# KiCad board gd rev3.kicad_pcb
title: Mega IIe; rev: Rev 3a; company: twitch.tv/baldengineer
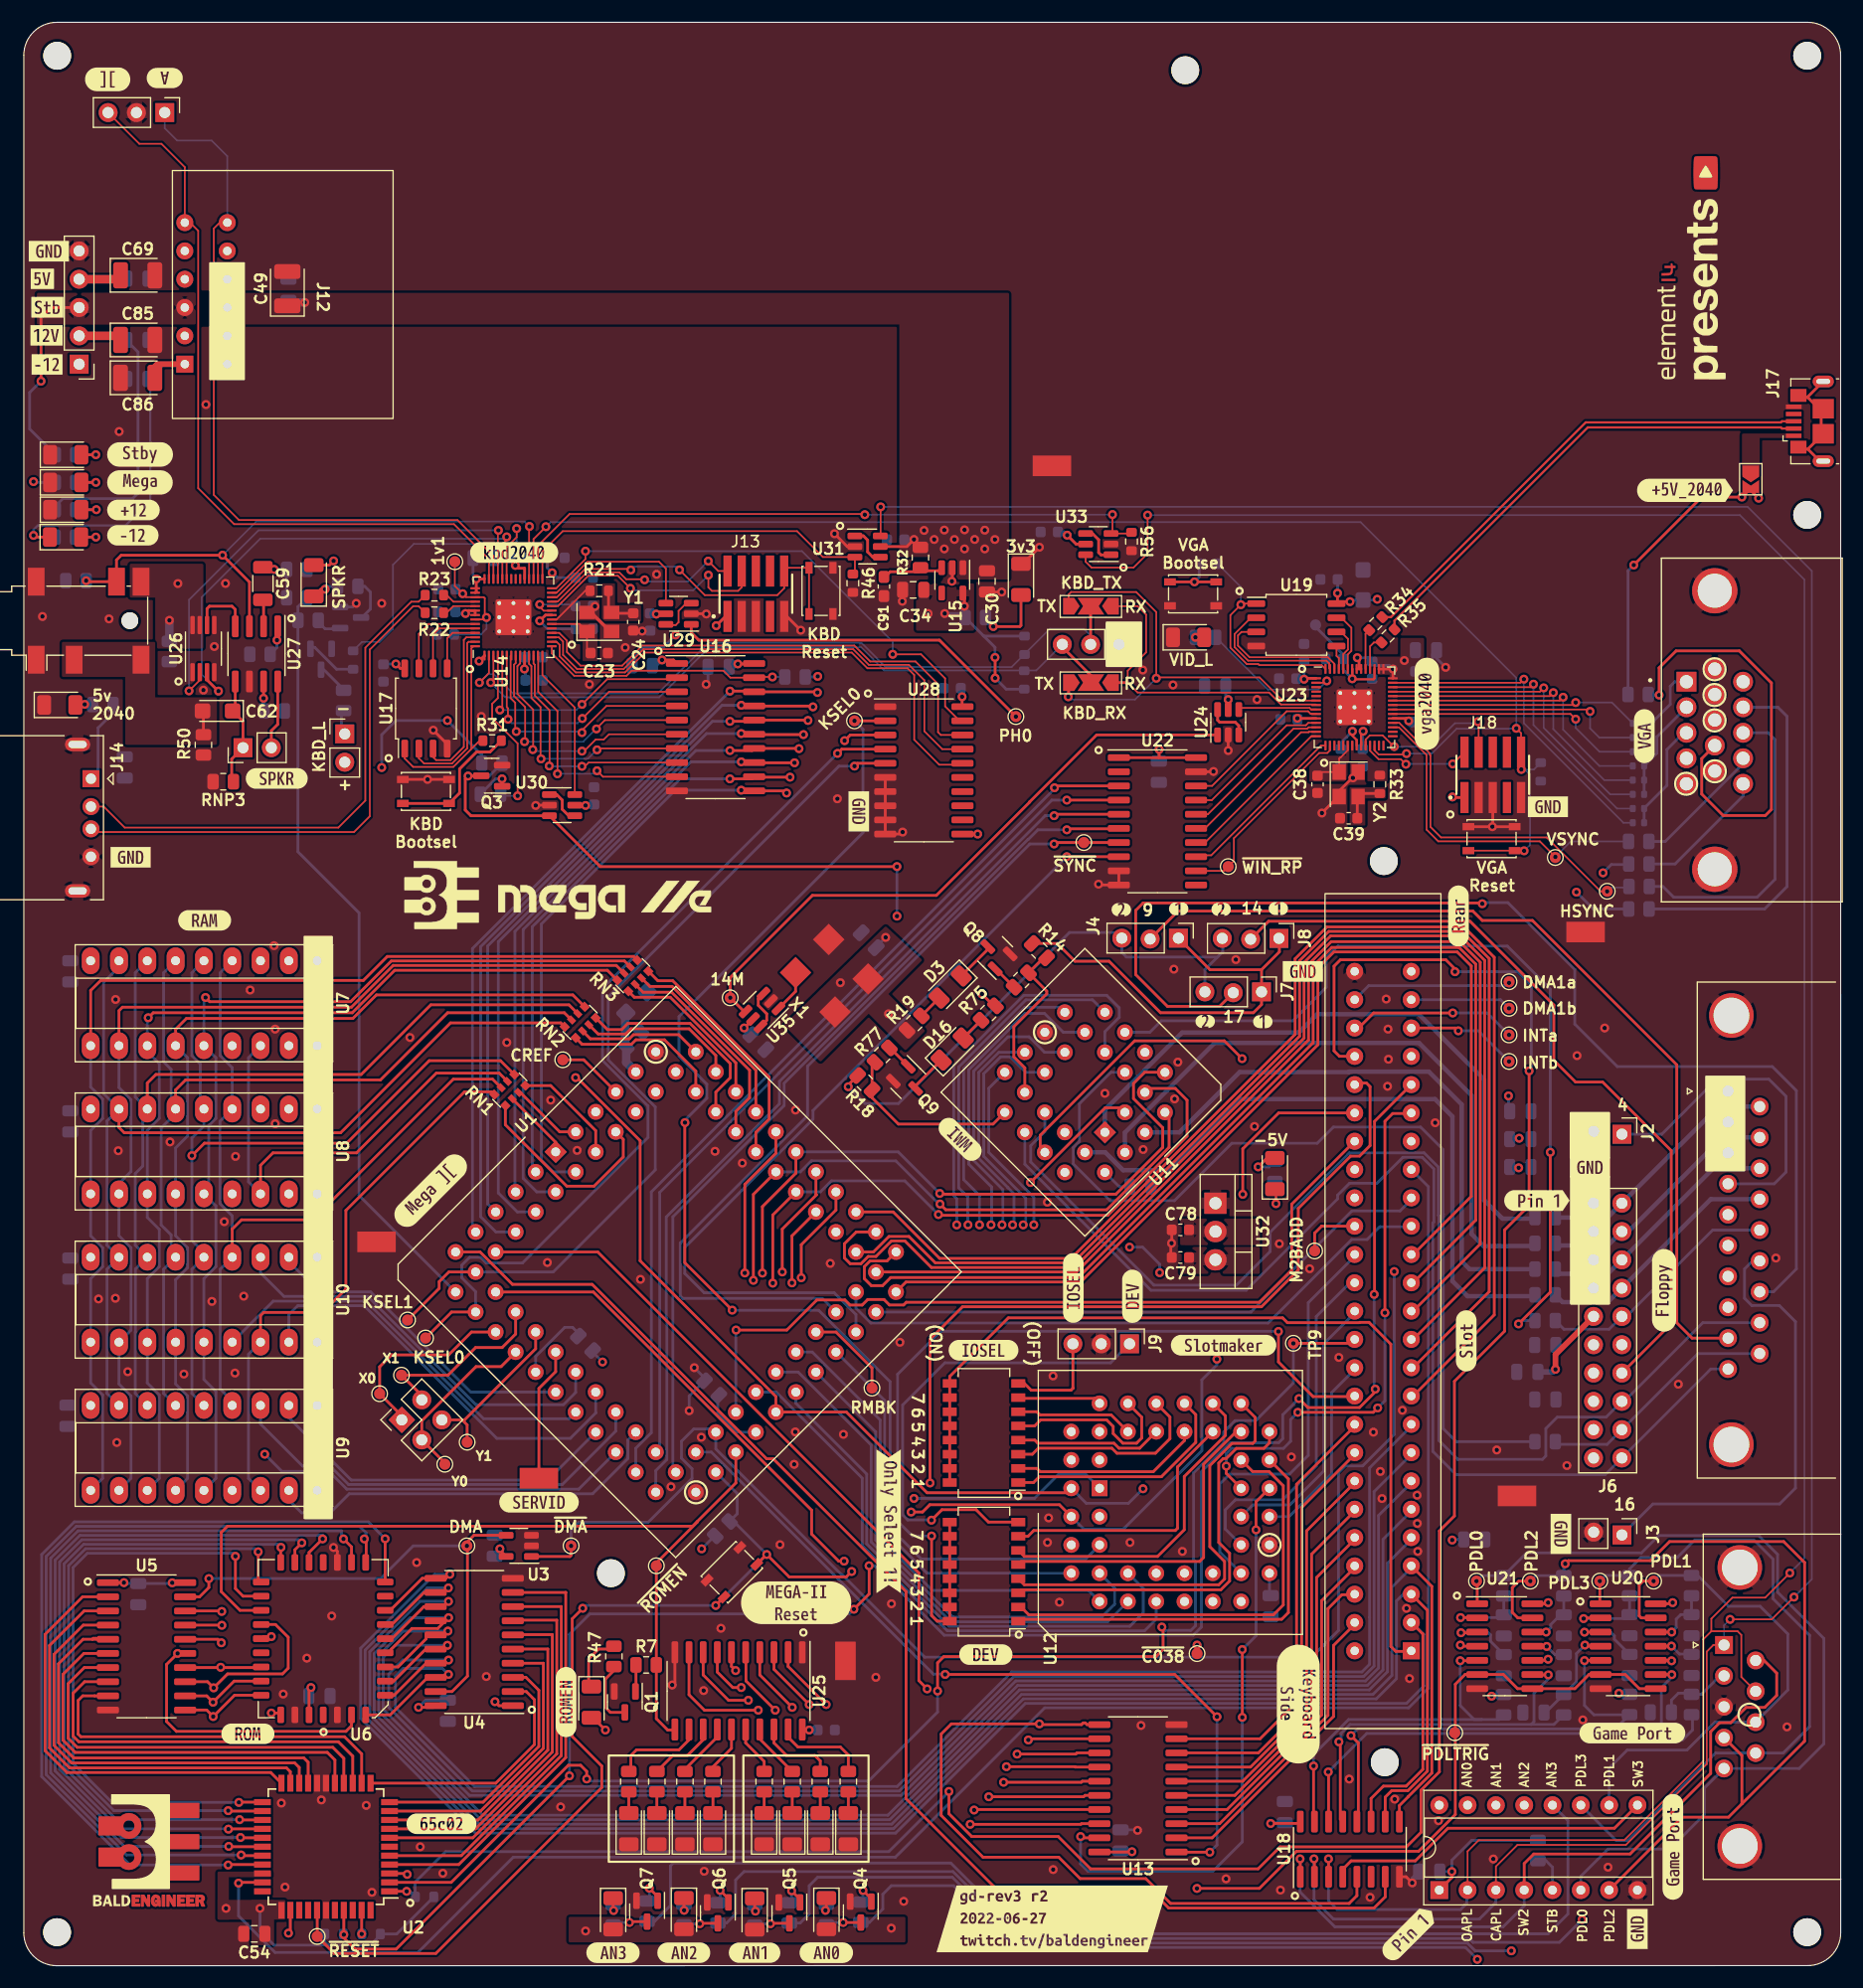
[diagram p0: board, top side]
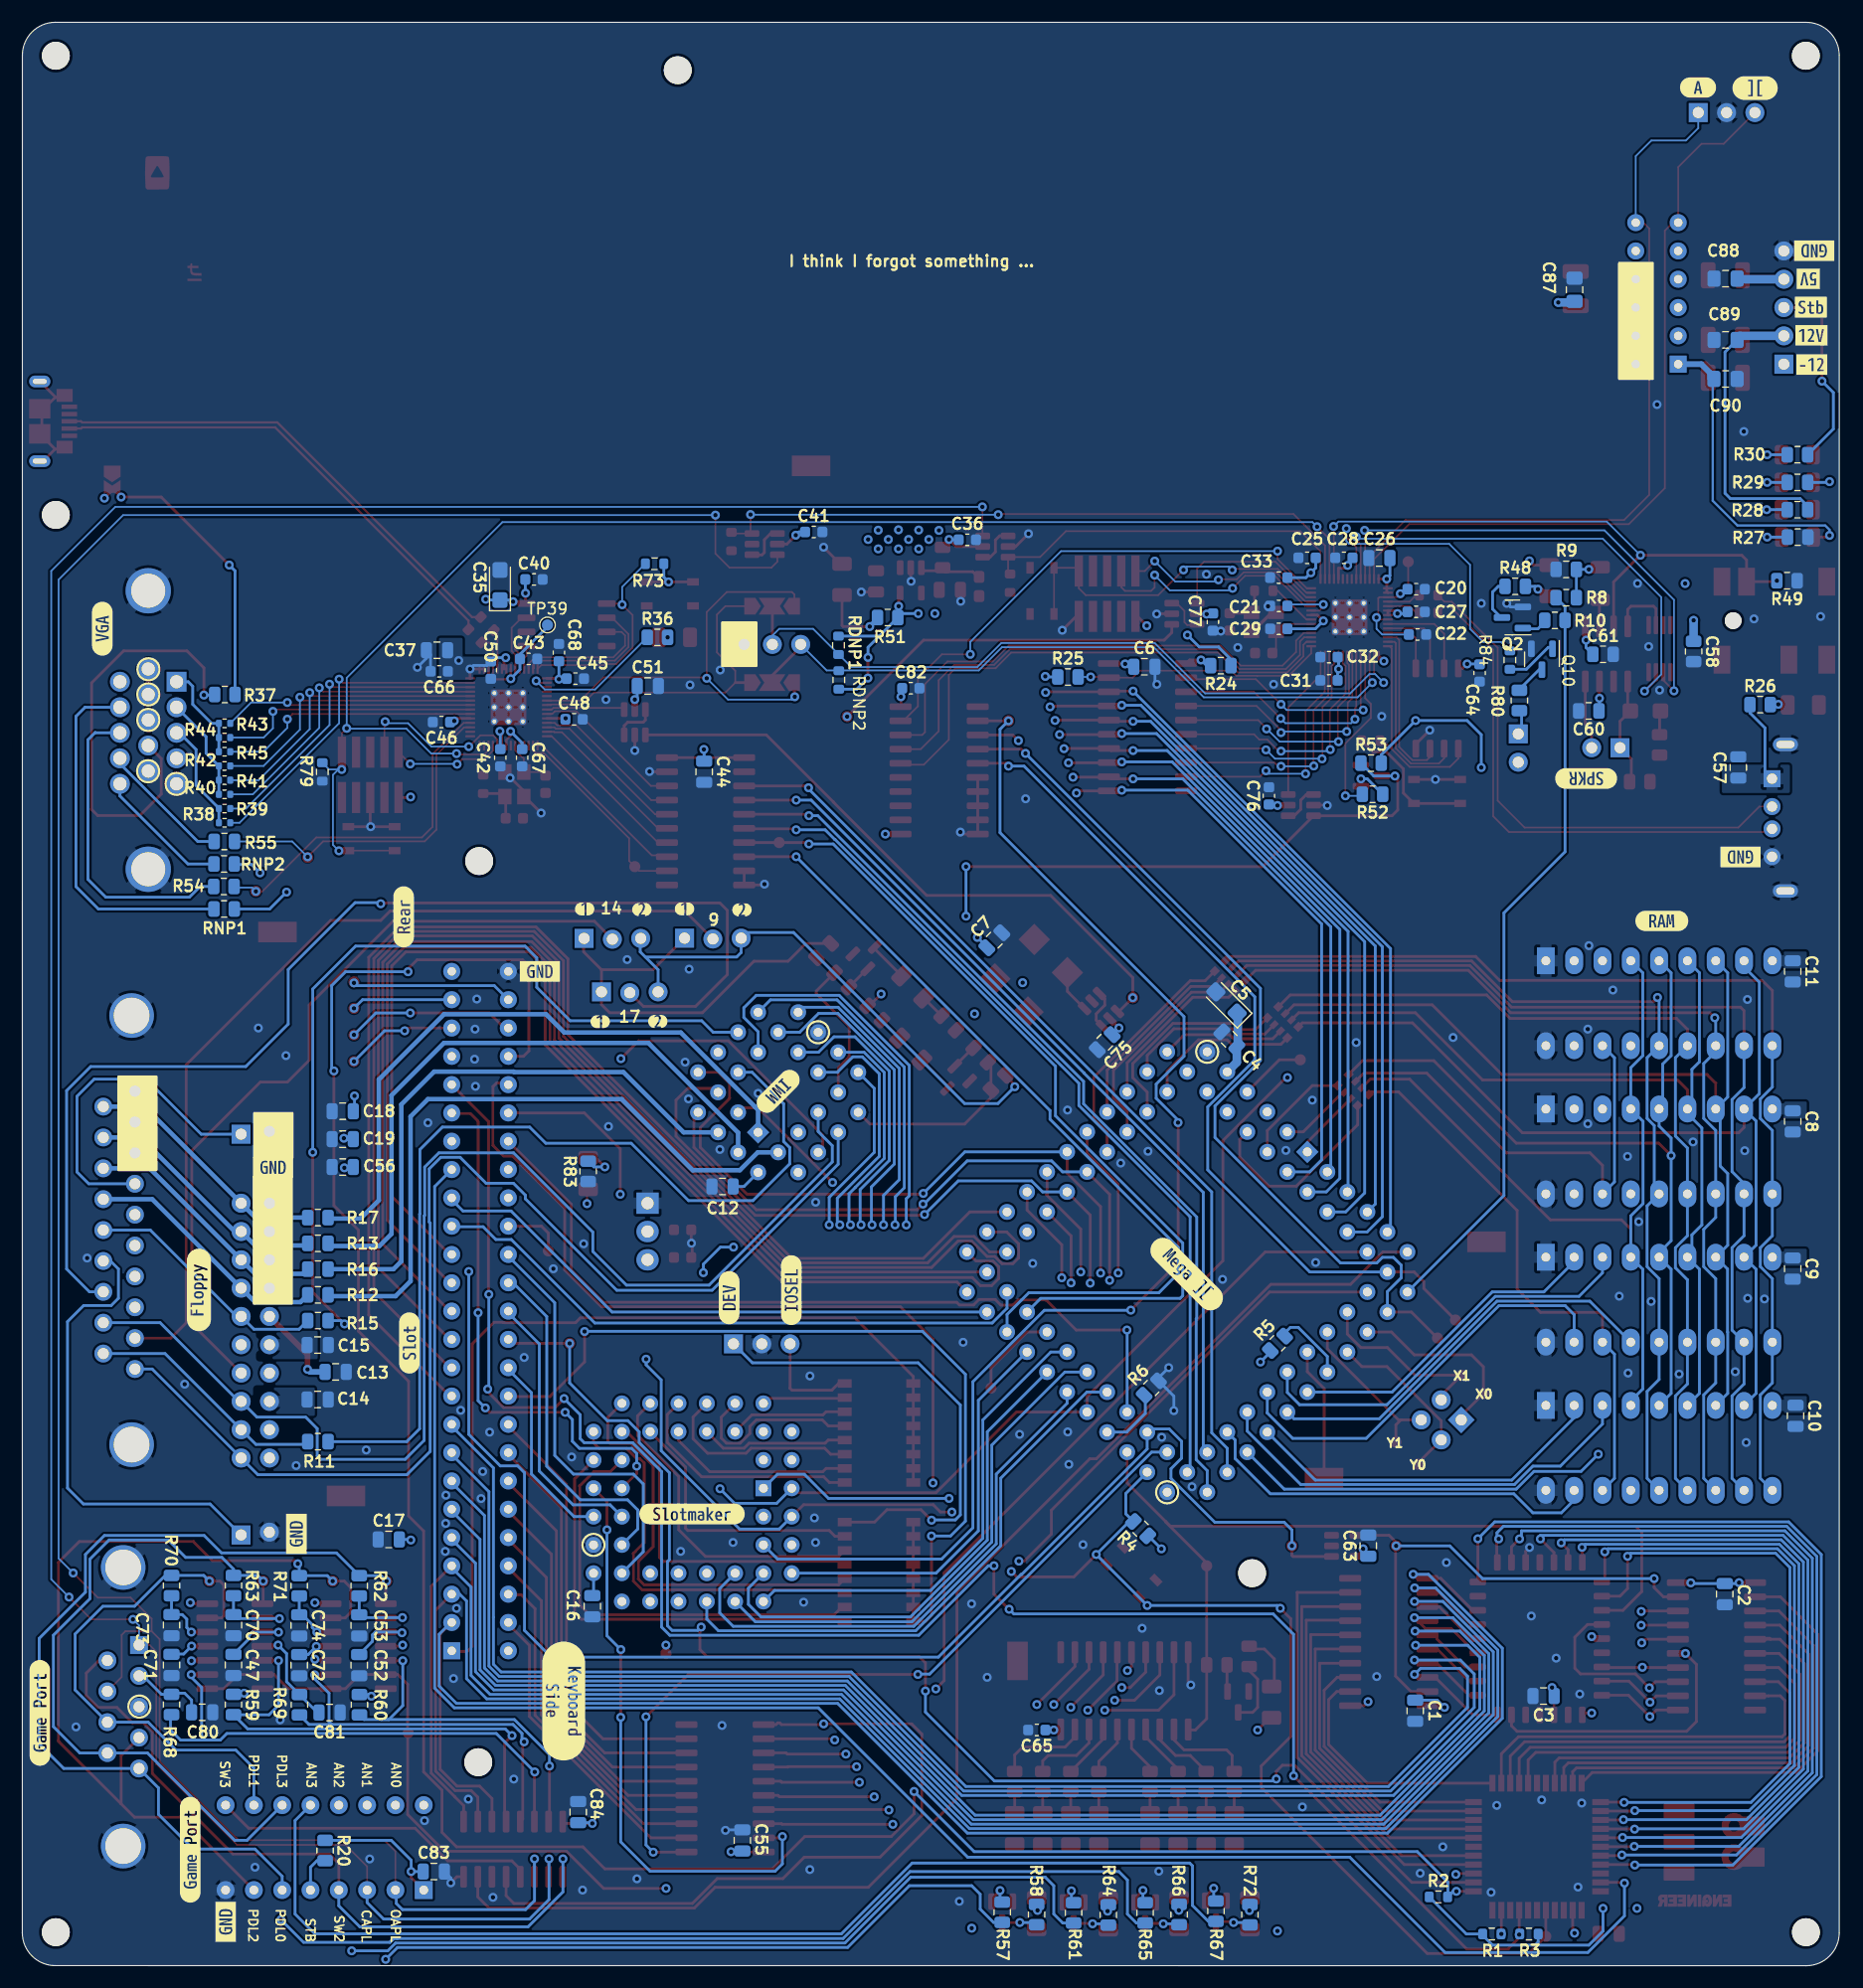
[diagram p1: board, bottom side, seen from below]

Outline 163.01 x 174.38 mm; copper layers: Top, In1.Cu, In2.Cu, Bottom. Coordinates in mm from the lower left corner of the outline.
Outline path: 0,171.41 0,2.96 arc(0.87,0.87) 2.96,0 160.05,0.01 arc(162.15,0.88) 163.01,2.97 163.01,171.42 arc(162.14,173.51) 160.05,174.38 2.96,174.37 arc(0.87,173.51) 0,171.41
Stack: Top 0.035mm / dielectric 1.51mm FR4 er 4.5 / In1.Cu 0.035mm / dielectric 1.51mm FR4 er 4.5 / In2.Cu 0.035mm / dielectric 1.51mm FR4 er 4.5 / Bottom 0.035mm

## Placement (name value [footprint] x y rotation side)
C1  1uF  [C_0805_2012Metric]  38.05 22.88 270 bottom
C2  1uF  [C_0805_2012Metric]  10.27 33.34 270 bottom
C3  1uF  [C_0805_2012Metric]  26.53 24.2 0 bottom
C4  10uF  [C_0805_2012Metric]  54.72 83.12 45 bottom
C5  100u  [CP_EIA-3216-18_Kemet-A]  54.97 86.43 45 bottom
C6  1u  [C_0805_2012Metric]  62.34 116.55 180 bottom
C7  1uF  [C_0805_2012Metric]  75.8 92.01 135 bottom
C8  1uF  [C_0805_2012Metric]  4.17 75.76 270 bottom
C9  1uF  [C_0805_2012Metric]  4.17 62.55 270 bottom
C10  1uF  [C_0805_2012Metric]  3.92 49.34 270 bottom
C11  1uF  [C_0805_2012Metric]  4.17 89.22 270 bottom
C12  10u  [C_0805_2012Metric]  100.19 69.92 0 bottom
C13  10u  [C_0805_2012Metric]  134.9 53.28 180 bottom
C14  10u  [C_0805_2012Metric]  136.51 50.8 180 bottom
C15  10u  [C_0805_2012Metric]  136.51 55.69 180 bottom
C16  1uF  [C_0805_2012Metric]  111.87 32.26 270 bottom
C17  10u  [C_0805_2012Metric]  130.14 38.25 0 bottom
C18  10u  [C_0805_2012Metric]  134.27 76.67 0 bottom
C19  10u  [C_0805_2012Metric]  134.27 74.17 0 bottom
C20  100n  [C_0603_1608Metric]  37.96 123.51 180 bottom
C21  100n  [C_0603_1608Metric]  50.28 122.01 0 bottom
C22  1u  [C_0603_1608Metric]  37.84 119.45 180 bottom
C23  27p  [C_0603_1608Metric]  51.63 117.78 0 top
C24  27p  [C_0603_1608Metric]  54.68 120.57 270 top
C25  100n  [C_0603_1608Metric]  47.74 126.33 0 bottom
C26  10u  [C_0805_2012Metric]  41.26 126.3 0 bottom
C27  1u  [C_0603_1608Metric]  37.96 121.48 180 bottom
C28  100n  [C_0603_1608Metric]  44.44 126.33 0 bottom
C29  100n  [C_0603_1608Metric]  50.28 119.95 0 bottom
C30  1u  [C_0805_2012Metric]  86.42 124.21 270 top
C31  100n  [C_0603_1608Metric]  45.78 115.33 0 bottom
C32  100n  [C_0603_1608Metric]  45.78 117.41 0 bottom
C33  100n  [C_0603_1608Metric]  50.28 124.55 0 bottom
C34  1u  [C_0805_2012Metric]  79.8 123.45 180 top
C35  100u  [CP_EIA-3216-18_Kemet-A]  120.16 123.89 90 bottom
C36  1u  [C_0603_1608Metric]  78.23 127.95 180 bottom
C37  1u  [C_0805_2012Metric]  125.81 118.04 0 bottom
C38  27p  [C_0603_1608Metric]  116.07 106 270 top
C39  27p  [C_0603_1608Metric]  118.87 102.95 180 top
C40  1u  [C_0603_1608Metric]  117.11 124.39 180 bottom
C41  1u  [C_0603_1608Metric]  92.01 128.65 180 bottom
C42  1u  [C_0603_1608Metric]  120.13 108.39 270 bottom
C43  1u  [C_0603_1608Metric]  117.59 117.26 180 bottom
C44  1u  [C_0805_2012Metric]  101.84 107.13 270 bottom
C45  100n  [C_0603_1608Metric]  113.39 115.49 180 bottom
C46  1u  [C_0603_1608Metric]  125.41 111.59 0 bottom
C47  .1u  [C_0805_2012Metric]  144.07 26.99 270 bottom
C48  100n  [C_0603_1608Metric]  113.51 111.84 180 bottom
C49  100uF/20V  [CP_EIA-3528-21_Kemet-B]  23.65 150.48 90 top
C50  1u  [C_0603_1608Metric]  120.98 116.25 270 bottom
C51  1u  [C_0805_2012Metric]  106.89 114.82 180 bottom
C52  .1u  [C_0805_2012Metric]  132.79 26.97 270 bottom
C53  22n  [C_0805_2012Metric]  132.79 30.54 270 bottom
C54  1uF  [C_0805_2012Metric]  20.68 2.86 180 top
C55  1uF  [C_0805_2012Metric]  98.41 11.24 90 bottom
C56  10u  [C_0805_2012Metric]  134.27 71.67 0 bottom
C57  10u  [C_0805_2012Metric]  9.06 107.52 90 bottom
C58  1u  [R_0805_2012Metric]  13.06 117.92 270 bottom
C59  220n  [R_1206_3216Metric]  21.45 124.02 270 top
C60  1u  [R_0805_2012Metric]  22.47 112.59 0 bottom
C61  1u  [R_0805_2012Metric]  21.19 117.67 180 bottom
C62  100u  [CP_EIA-3216-18_Kemet-A]  17.39 112.59 180 top
C63  1uF  [C_0805_2012Metric]  42.25 37.69 90 bottom
C64  1u  [C_0603_1608Metric]  32.27 115.99 270 bottom
C65  1u  [C_0603_1608Metric]  71.99 21.15 0 bottom
C66  100n  [C_0603_1608Metric]  125.61 116.14 0 bottom
C67  100n  [C_0603_1608Metric]  118.17 108.39 270 bottom
C68  100n  [C_0603_1608Metric]  114.87 117.82 90 bottom
C69  100uF/20V  [CP_EIA-3528-21_Kemet-B]  10.22 151.68 0 top
C70  22n  [C_0805_2012Metric]  144.07 30.56 270 bottom
C71  .1u  [C_0805_2012Metric]  149.63 26.99 270 bottom
C72  .1u  [C_0805_2012Metric]  138.17 26.97 270 bottom
C73  22n  [C_0805_2012Metric]  149.63 30.56 270 bottom
C74  22n  [C_0805_2012Metric]  138.17 30.54 270 bottom
C75  1uF  [C_0805_2012Metric]  65.9 82.87 315 bottom
C76  1u  [C_0603_1608Metric]  51.16 104.97 90 bottom
C77  1u  [C_0603_1608Metric]  56.19 120.56 270 bottom
C78  1u  [C_0603_1608Metric]  103.77 66.03 180 top
C79  1u  [C_0603_1608Metric]  103.77 63.55 180 top
C80  1u  [C_0805_2012Metric]  146.88 22.74 180 bottom
C81  1u  [C_0805_2012Metric]  135.45 22.72 180 bottom
C82  1u  [C_0603_1608Metric]  83.3 114.62 180 bottom
C83  10u  [C_0805_2012Metric]  126.09 8.45 180 bottom
C84  1u  [C_0805_2012Metric]  113.14 13.78 90 bottom
C85  100uF/20V  [CP_EIA-3528-21_Kemet-B]  10.22 145.88 0 top
C86  100uF/20V  [CP_EIA-3528-21_Kemet-B]  10.22 142.48 0 top
C87  47uF/25V  [C_0805_2012Metric_Pad1.18x1.45mm_HandSolder]  23.75 150.38 90 bottom
C88  47uF/25V  [C_0805_2012Metric_Pad1.18x1.45mm_HandSolder]  10.2 151.38 0 bottom
C89  47uF/25V  [C_0805_2012Metric_Pad1.18x1.45mm_HandSolder]  10.2 145.88 0 bottom
C90  47uF/25V  [C_0805_2012Metric_Pad1.18x1.45mm_HandSolder]  10.2 142.38 180 bottom
C91  1e-6  [C_0603_1608Metric_Pad1.08x0.95mm_HandSolder]  77.17 123.75 270 top
D1  ~{ROMEN_L}  [LED_1206_3216Metric]  50.93 23.65 270 top
D2  SNDZ  [LED_1206_3216Metric]  26.02 124.27 90 top
D3  DSK1  [LED_1206_3216Metric]  83.12 87.82 225 top
D4  -12v  [LED_1206_3216Metric]  3.75 128.18 0 top
D5  +12v  [LED_1206_3216Metric]  3.77 130.64 0 top
D6  Mega  [LED_1206_3216Metric]  3.77 133.09 0 top
D7  5V_2040_PWR  [LED_1206_3216Metric]  3.23 113.13 0 top
D8  3V3_PWR  [LED_1206_3216Metric]  89.47 124.39 270 top
D10  Stby  [LED_1206_3216Metric]  3.77 135.58 0 top
D11  D_1206  [LED_1206_3216Metric]  104.5 119.19 0 top
D12  AN0  [LED_1206_3216Metric]  72.01 4.68 270 top
D13  AN1  [LED_1206_3216Metric]  65.58 4.64 270 top
D14  AN2  [LED_1206_3216Metric]  59.23 4.68 270 top
D15  AN3  [LED_1206_3216Metric]  52.88 4.66 270 top
D16  DSK2  [LED_1206_3216Metric]  83.3 82.25 45 top
D17  BA15  [LED_1206_3216Metric]  54.28 12.3 90 top
D18  BA11  [LED_1206_3216Metric]  66.43 12.3 90 top
D19  BA14  [LED_1206_3216Metric]  56.8 12.3 90 top
D20  BA10  [LED_1206_3216Metric]  68.94 12.3 90 top
D21  BA13  [LED_1206_3216Metric]  59.32 12.3 90 top
D22  BA9  [LED_1206_3216Metric]  71.46 12.3 90 top
D23  BA12  [LED_1206_3216Metric]  61.83 12.3 90 top
D24  BA8  [LED_1206_3216Metric]  73.98 12.3 90 top
D25  -5V  [LED_1206_3216Metric]  112.25 71.08 90 top
H1  MountingHole  [MountingHole_2.5mm]  2.99 3.01 0 top
H2  MountingHole  [MountingHole_2.5mm]  160.01 171.38 0 top
H3  MountingHole  [MountingHole_2.5mm]  160.01 3.01 0 top
H4  MountingHole  [MountingHole_2.5mm]  3 171.38 0 top
H5  MountingHole  [MountingHole_2.5mm]  122.11 18.26 0 top
H6  MountingHole  [MountingHole_2.5mm]  122.03 99.12 0 top
H7  MountingHole  [MountingHole_2.5mm]  52.68 35.22 0 top
J1  XY  [PinHeader_2x02_P2.54mm_Vertical]  33.91 48.98 45 top
J2  DB19_4  [PinHeader_1x02_P2.54mm_Vertical-LOCK]  143.39 74.74 270 top
J3  DB19_16  [PinHeader_1x02_P2.54mm_Vertical-LOCK]  143.39 38.78 270 top
J4  EN  [PinHeader_1x03_P2.54mm_Vertical-LOCK]  103.6 92.2 270 top
J5  DSUB19  [DSUB-19_Apple_II_Floppy]  152.91 78.47 90 top
J6  FDC Hdr  [PinHeader_2x10_P2.54mm_Vertical]  140.84 68.42 0 top
J7  EN  [PinHeader_1x03_P2.54mm_Vertical-LOCK]  111.05 87.38 270 top
J8  EN  [PinHeader_1x03_P2.54mm_Vertical-LOCK]  112.61 92.18 270 top
J9  IO-Xtra  [PinHeader_1x03_P2.54mm_Vertical]  99.21 55.8 270 top
J10  Apple_II_Slot  [Sullins-EBC25DCWN-Edge Socket 50 pos (25x2) 0.100]  121.95 58.74 90 top
J11  Game Port  [DIP-16_W7.62mm_Socket]  127 6.79 90 top
J12  Right Angle  [TE 5650118-3 Right Angle 12 Pos Socket]  23.5 149.93 270 top
J13  SWD  [SAMTEC_FTSH-105-XX-X-DV]  65.68 123.11 0 top
J14  USB_A  [USB_A_GCT_USB1125]  6.03 106.51 270 top
J15  PS Aux  [PinHeader_1x05_P2.54mm_Vertical]  4.97 143.7 180 top
J16  PS Control  [PinHeader_1x03_P2.54mm_Vertical]  12.65 166.28 270 top
J17  VGA_Micro  [USB_Micro-B_GCT_USB3076-30-A]  160.25 138.58 90 top
J18  vga_SWD  [SAMTEC_FTSH-105-XX-X-DV]  131.8 106.85 0 top
J19  SPKR  [PinHeader_1x02_P2.54mm_Vertical]  19.67 109.29 90 top
J20  Ears  [Jack_3.5mm_tensility_54-00177]  5.82 120.69 90 top
J21  KBD Serial  [PinHeader_1x03_P2.54mm_Vertical]  98.26 118.56 270 top
J22  L77HDE15SD1CH4F  [AMPHENOL_L77HDE15SD1CH4F]  151.71 110.88 90 top
J23  Game-DB  [DSUB-9_Female_Horizontal_P2.77x2.84mm_EdgePinOffset7.70mm_Housed_MountingHolesOffset9.12mm]  152.54 28.78 90 top
J24  KBD_L_HDR  [PinHeader_1x02_P2.54mm_Vertical]  28.8 110.53 0 top
JP1  Int-Ser1  [SolderJumper-3_P2.0mm_Open_TrianglePad1.0x1.5mm_NumberLabels]  95.74 121.99 180 top
JP2  Int-Ser2  [SolderJumper-3_P2.0mm_Open_TrianglePad1.0x1.5mm_NumberLabels]  95.74 115.13 180 top
JP3  Vbus_2040  [SolderJumper-2_P1.3mm_Open_TrianglePad1.0x1.5mm]  154.95 133.38 270 top
kibuzzard-62A00D7F  G***  [kibuzzard-62A00D7F]  2.12 148.81 0 top
kibuzzard-62A00D7F#2  G***  [kibuzzard-62A00D7F]  2.54 148.82 180 bottom
kibuzzard-62A00D22  G***  [kibuzzard-62A00D22]  1.67 151.36 0 top
kibuzzard-62A00D22#2  G***  [kibuzzard-62A00D22]  2.78 151.36 0 bottom
kibuzzard-62A00D66  G***  [kibuzzard-62A00D66]  2.04 146.29 0 top
kibuzzard-62A00D66#2  G***  [kibuzzard-62A00D66]  -28.15 215.88 0 top
kibuzzard-62A00D66#3  G***  [kibuzzard-62A00D66]  2.49 146.29 180 bottom
kibuzzard-62A00D90  G***  [kibuzzard-62A00D90]  2.09 143.68 0 top
kibuzzard-62A00D90#2  G***  [kibuzzard-62A00D90]  2.46 143.67 180 bottom
kibuzzard-62A01867  G***  [kibuzzard-62A01867]  12.65 169.38 180 top
kibuzzard-62A01867#2  G***  [kibuzzard-62A01867]  12.67 168.53 180 bottom
kibuzzard-62A01879  G***  [kibuzzard-62A01879]  7.53 169.26 0 top
kibuzzard-62A01879#2  G***  [kibuzzard-62A01879]  7.55 168.48 0 bottom
kibuzzard-62BA0892  G***  [kibuzzard-62BA0892]  92.27 4.2 0 top
kibuzzard-629FA1B4  G***  [kibuzzard-629FA1B4]  147.96 10.67 90 top
kibuzzard-629FA1B4#2  G***  [kibuzzard-629FA1B4]  144.32 20.88 0 top
kibuzzard-629FA1B4#3  G***  [kibuzzard-629FA1B4]  147.95 10.41 90 bottom
kibuzzard-629FA1B4#4  G***  [kibuzzard-629FA1B4]  161.44 22.69 90 bottom
kibuzzard-629FA1FF  G***  [kibuzzard-629FA1FF]  114.35 23.48 270 top
kibuzzard-629FA1FF#2  G***  [kibuzzard-629FA1FF]  114.44 23.75 270 bottom
kibuzzard-629FA2A5  G***  [kibuzzard-629FA2A5]  124.25 2.84 45 top
kibuzzard-629FA2A5#2  G***  [kibuzzard-629FA2A5]  135.76 68.66 0 top
kibuzzard-629FA6FE  G***  [kibuzzard-629FA6FE]  52.87 1.17 0 top
kibuzzard-629FA26A  G***  [kibuzzard-629FA26A]  107.65 55.68 0 top
kibuzzard-629FA26A#2  G***  [kibuzzard-629FA26A]  102.93 40.54 180 bottom
kibuzzard-629FA65B  G***  [kibuzzard-629FA65B]  149.05 132.38 0 top
kibuzzard-629FA70B  G***  [kibuzzard-629FA70B]  65.57 1.17 0 top
kibuzzard-629FA211  G***  [kibuzzard-629FA211]  128.72 94.19 90 top
kibuzzard-629FA211#2  G***  [kibuzzard-629FA211]  128.8 94.12 90 bottom
kibuzzard-629FA226  G***  [kibuzzard-629FA226]  36.51 69.55 45 top
kibuzzard-629FA226#2  G***  [kibuzzard-629FA226]  58.55 62.06 225 bottom
kibuzzard-629FA258  G***  [kibuzzard-629FA258]  84.01 74.15 315 top
kibuzzard-629FA258#2  G***  [kibuzzard-629FA258]  95.2 78.46 315 bottom
kibuzzard-629FA285  G***  [kibuzzard-629FA285]  37.48 12.74 0 top
kibuzzard-629FA704  G***  [kibuzzard-629FA704]  59.22 1.17 0 top
kibuzzard-629FA712  G***  [kibuzzard-629FA712]  72 1.17 0 top
kibuzzard-629FBBA8  G***  [kibuzzard-629FBBA8]  99.47 60.07 90 top
kibuzzard-629FBBA8#2  G***  [kibuzzard-629FBBA8]  86.32 27.92 0 top
kibuzzard-629FBBA8#3  G***  [kibuzzard-629FBBA8]  99.59 59.94 90 bottom
kibuzzard-629FBBB6  G***  [kibuzzard-629FBBB6]  86.11 55.23 0 top
kibuzzard-629FBBB6#2  G***  [kibuzzard-629FBBB6]  94.17 60.82 90 top
kibuzzard-629FBBB6#3  G***  [kibuzzard-629FBBB6]  94.02 60.62 90 bottom
kibuzzard-629FBCCC  G***  [kibuzzard-629FBCCC]  129.42 56.07 90 top
kibuzzard-629FBCCC#2  G***  [kibuzzard-629FBCCC]  128.29 55.88 90 bottom
kibuzzard-629FBCE5  G***  [kibuzzard-629FBCE5]  77.6 39.88 270 top
kibuzzard-629FBD81  G***  [kibuzzard-629FBD81]  16.23 93.8 0 top
kibuzzard-629FBD81#2  G***  [kibuzzard-629FBD81]  15.92 93.75 180 bottom
kibuzzard-629FBD90  G***  [kibuzzard-629FBD90]  20.11 20.81 0 top
kibuzzard-629FBDB7  G***  [kibuzzard-629FBDB7]  44 126.81 0 top
kibuzzard-629FBDC7  G***  [kibuzzard-629FBDC7]  125.89 113.23 90 top
kibuzzard-629FBDD5  G***  [kibuzzard-629FBDD5]  145.4 110.33 90 top
kibuzzard-629FBDD5#2  G***  [kibuzzard-629FBDD5]  155.84 119.97 90 bottom
kibuzzard-629FBDE1  G***  [kibuzzard-629FBDE1]  147.17 60.6 90 top
kibuzzard-629FBDE1#2  G***  [kibuzzard-629FBDE1]  147.17 60.64 90 bottom
kibuzzard-629FBEF0  G***  [kibuzzard-629FBEF0]  22.7 106.53 0 top
kibuzzard-629FBEF0#2  G***  [kibuzzard-629FBEF0]  22.71 106.53 0 bottom
kibuzzard-629FBF5C  G***  [kibuzzard-629FBF5C]  10.43 135.6 0 top
kibuzzard-629FBF6C  G***  [kibuzzard-629FBF6C]  10.42 133.09 0 top
kibuzzard-629FBF7A  G***  [kibuzzard-629FBF7A]  9.84 130.62 0 top
kibuzzard-629FBF85  G***  [kibuzzard-629FBF85]  9.79 128.35 0 top
kibuzzard-629FC7E7  G***  [kibuzzard-629FC7E7]  46.23 41.59 0 top
kibuzzard-629FC9D8  G***  [kibuzzard-629FC9D8]  114.76 89.22 0 top
kibuzzard-629FC9D8#2  G***  [kibuzzard-629FC9D8]  2.25 153.84 0 top
kibuzzard-629FC9D8#3  G***  [kibuzzard-629FC9D8]  136.75 103.99 0 top
kibuzzard-629FC9D8#4  G***  [kibuzzard-629FC9D8]  9.59 99.46 0 top
kibuzzard-629FC9D8#5  G***  [kibuzzard-629FC9D8]  144.77 3.3 90 top
kibuzzard-629FC9D8#6  G***  [kibuzzard-629FC9D8]  74.92 103.58 270 top
kibuzzard-629FC9D8#7  G***  [kibuzzard-629FC9D8]  137.91 38.75 270 top
kibuzzard-629FC9D8#8  G***  [kibuzzard-629FC9D8]  140.52 71.64 0 top
kibuzzard-629FC9D8#9  G***  [kibuzzard-629FC9D8]  140.52 71.64 180 bottom
kibuzzard-629FC9D8#10  G***  [kibuzzard-629FC9D8]  116.58 89.22 180 bottom
kibuzzard-629FC9D8#11  G***  [kibuzzard-629FC9D8]  2.25 153.88 0 bottom
kibuzzard-629FC9D8#12  G***  [kibuzzard-629FC9D8]  8.86 99.49 0 bottom
kibuzzard-629FC9D8#13  G***  [kibuzzard-629FC9D8]  138.43 38.75 90 bottom
kibuzzard-629FC9D8#14  G***  [kibuzzard-629FC9D8]  144.77 3.94 90 bottom
kibuzzard-629FDE2E  G***  [kibuzzard-629FDE2E]  69.3 32.57 0 top
kibuzzard-629FDEAC  G***  [kibuzzard-629FDEAC]  48.66 23.66 90 top
kibuzzard-629FF22E  G***  [kibuzzard-629FF22E]  107.43 94.79 0 top
kibuzzard-629FF22E#2  G***  [kibuzzard-629FF22E]  98.47 94.76 0 top
kibuzzard-629FF22E#3  G***  [kibuzzard-629FF22E]  106 84.73 0 top
kibuzzard-629FF22E#4  G***  [kibuzzard-629FF22E]  107.43 94.77 180 bottom
kibuzzard-629FF22E#5  G***  [kibuzzard-629FF22E]  98.45 94.74 180 bottom
kibuzzard-629FF22E#6  G***  [kibuzzard-629FF22E]  106 84.73 180 bottom
kibuzzard-629FF214  G***  [kibuzzard-629FF214]  103.62 94.84 0 top
kibuzzard-629FF214#2  G***  [kibuzzard-629FF214]  112.56 94.86 0 top
kibuzzard-629FF214#3  G***  [kibuzzard-629FF214]  111.17 84.71 0 top
kibuzzard-629FF214#4  G***  [kibuzzard-629FF214]  103.6 94.83 180 bottom
kibuzzard-629FF214#5  G***  [kibuzzard-629FF214]  112.56 94.82 180 bottom
kibuzzard-629FF214#6  G***  [kibuzzard-629FF214]  111.17 84.71 180 bottom
Q1  BC817  [SOT-23]  53.93 23.67 270 top
Q2  BC817  [SOT-23]  29.32 120.97 0 bottom
Q3  BC817  [SOT-23]  41.98 106.77 180 top
Q4  BC817  [SOT-23]  75.1 4.81 270 top
Q5  BC817  [SOT-23]  68.69 4.74 270 top
Q6  BC817  [SOT-23]  62.27 4.74 270 top
Q7  BC817  [SOT-23]  55.92 4.89 270 top
Q8  BC817  [SOT-23]  87.16 90.78 135 top
Q9  BC817  [SOT-23]  79.35 79.38 315 top
Q10  BC817  [SOT-23]  26.67 117.23 270 bottom
R1  4k7  [R_0603_1608Metric]  31.17 2.85 180 bottom
R2  3k3  [R_0603_1608Metric]  35.96 6.17 180 bottom
R3  3k3  [R_0603_1608Metric]  27.84 2.85 0 bottom
R4  4k7  [R_0805_2012Metric]  62.68 39.22 45 bottom
R5  4k7  [R_0805_2012Metric]  50.4 55.85 135 bottom
R6  4k7  [R_0805_2012Metric]  61.72 51.84 135 bottom
R7  4k7  [R_0805_2012Metric]  55.84 26.99 0 top
R8  1  [R_0805_2012Metric]  24.49 122.75 180 bottom
R9  2  [R_0805_2012Metric]  24.49 125.29 0 bottom
R10  10k  [R_0805_2012Metric]  25.51 120.72 180 bottom
R11  22  [R_0805_2012Metric]  136.49 47.02 180 bottom
R12  22  [R_0805_2012Metric]  136.49 60.19 180 bottom
R13  22  [R_0805_2012Metric]  136.49 64.81 180 bottom
R14  22  [R_0805_2012Metric]  91.12 91.08 315 top
R15  22  [R_0805_2012Metric]  136.49 57.88 180 bottom
R16  22  [R_0805_2012Metric]  136.49 62.5 180 bottom
R17  22  [R_0805_2012Metric]  136.49 67.12 180 bottom
R18  22  [R_0805_2012Metric]  75.46 79.23 315 top
R19  470  [R_0805_2012Metric]  79.89 84.59 45 top
R20  4k7  [R_0805_2012Metric]  135.85 10.34 270 bottom
R21  0  [R_0603_1608Metric]  51.63 123.37 0 top
R22  27  [R_0603_1608Metric]  36.84 121.4 0 top
R23  27  [R_0603_1608Metric]  36.84 122.98 0 top
R24  4k7  [R_0805_2012Metric]  55.48 116.65 0 bottom
R25  4k7  [R_0805_2012Metric]  69.2 115.64 180 bottom
R26  1K  [R_0805_2012Metric]  7.1 113.16 180 bottom
R27  1K  [R_0805_2012Metric]  3.73 128.18 0 bottom
R28  1K  [R_0805_2012Metric]  3.75 130.64 0 bottom
R29  1K  [R_0805_2012Metric]  3.75 133.09 0 bottom
R30  1K  [R_0805_2012Metric]  3.75 135.58 0 bottom
R31  1K  [R_0603_1608Metric]  42.02 109.92 180 top
R32  470k  [R_0805_2012Metric]  80.45 126.35 270 top
R33  0  [R_0603_1608Metric]  121.66 106 270 top
R34  27  [R_0603_1608Metric]  121.3 120.42 225 top
R35  27  [R_0603_1608Metric]  122.4 119.31 225 top
R36  R_0805  [R_0805_2012Metric]  106.03 119.19 180 bottom
R37  100  [R_0805_2012Metric]  144.84 114.06 0 bottom
R38  1k  [R_0402_1005Metric]  144.87 102.55 180 bottom
R39  390  [R_0402_1005Metric]  144.87 103.83 180 bottom
R40  2k2  [R_0402_1005Metric]  144.87 105.1 180 bottom
R41  1k  [R_0402_1005Metric]  144.87 106.38 180 bottom
R42  470  [R_0402_1005Metric]  144.87 107.65 180 bottom
R43  2k2  [R_0402_1005Metric]  144.87 111.47 180 bottom
R44  1k  [R_0402_1005Metric]  144.87 110.2 180 bottom
R45  470  [R_0402_1005Metric]  144.87 108.93 180 bottom
R46  470  [R_0603_1608Metric]  74.39 124.05 270 top